# KiCad board Sofle_Chico_Panel.kicad_pcb (continued)
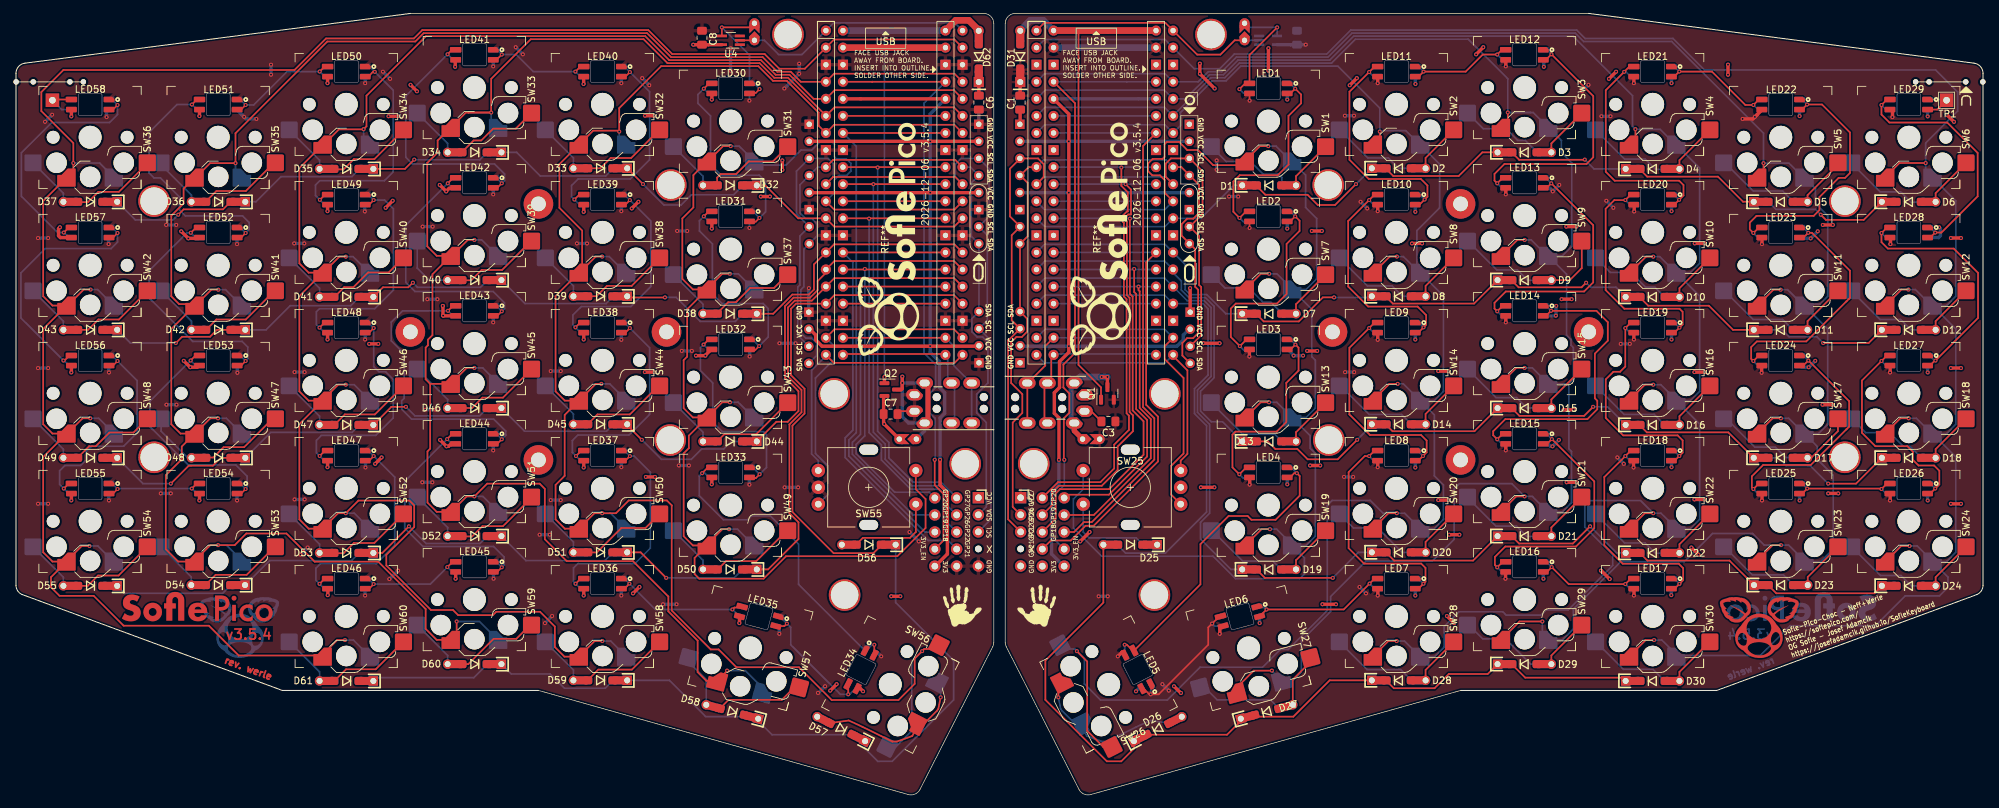
[diagram p0: board, top side]
## Footprints (pads in the part's own frame, mm; a bottom-side part is the same pattern mirrored in y, then rotated) (continued)
OLED SSD1306 128x64
  round 1.397 hole 0.813: 1(3.82,-12.575) 1(3.82,12.635) 1(13.98,-12.575) 1(13.98,12.635) 2(1.28,-12.575) 2(1.28,12.635) 2(11.44,-12.575) 2(11.44,12.635) 3(-1.26,-12.575) 3(-1.26,12.635) 3(6.36,-12.575) 3(6.36,12.635)
  rect 1.397x1.397 hole 0.813: 4(-3.8,-12.575) 4(-3.8,12.635) 4(8.9,-12.575) 4(8.9,12.635)
Pimaroni_PinHeader_1x05_P2.54mm_Vertical Sofle v3b
  round 1 hole 1 unplated: (0,-7.62)
  rect 1.7x1.7 hole 1: 1(0,0)
  oval 1.7x1.7 hole 1: 2(0,-2.54) 3(0,-5.08) 5(0,-10.16)
PinHeader_1x05_P2.54mm_Vertical
  round 1.7 hole 1: 1(0,0)
  oval 1.7x1.7 hole 1: 2(0,-2.54) 3(0,-5.08) 4(0,-7.62) 5(0,-10.16)
RotaryEncoder_Alps_EC11E-Switch_Vertical_H20mm-keebio_modified
  oval 2.8x1.5 hole 2.8x1.5 unplated: (0,-5.6) (0,5.6)
  round 2 hole 1: A(-7.5,2.5) B(-7.5,-2.5) C(-7.5,0) S1(7,-2.5) S2(7,2.5)
RPi_Pico_SMD_TH_DS
  round 1.5 hole 0.8: 1(-10.16,24.13) 1(10.16,24.13) 2(-10.16,21.59) 2(10.16,21.59) 4(-10.16,16.51) 4(10.16,16.51) 5(-10.16,13.97) 5(10.16,13.97) 6(-10.16,11.43) 6(10.16,11.43) 7(-10.16,8.89) 7(10.16,8.89) 9(-10.16,3.81) 9(10.16,3.81) 10(-10.16,1.27) 10(10.16,1.27) 11(-10.16,-1.27) 11(10.16,-1.27) 12(-10.16,-3.81) 12(10.16,-3.81) 14(-10.16,-8.89) 14(10.16,-8.89) 15(-10.16,-11.43) 15(10.16,-11.43) 16(-10.16,-13.97) 16(10.16,-13.97) 17(-10.16,-16.51) 17(10.16,-16.51) 19(-10.16,-21.59) 19(10.16,-21.59) 20(-10.16,-24.13) 20(10.16,-24.13) 21(-7.62,-24.13) 21(7.62,-24.13) 22(-7.62,-21.59) 22(7.62,-21.59) 24(-7.62,-16.51) 24(7.62,-16.51) 25(-7.62,-13.97) 25(7.62,-13.97) 26(-7.62,-11.43) 26(7.62,-11.43) 27(-7.62,-8.89) 27(7.62,-8.89) 29(-7.62,-3.81) 29(7.62,-3.81) 30(-7.62,-1.27) 30(7.62,-1.27) 31(-7.62,1.27) 31(7.62,1.27) 32(-7.62,3.81) 32(7.62,3.81) 34(-7.62,8.89) 34(7.62,8.89) 35(-7.62,11.43) 35(7.62,11.43) 36(-7.62,13.97) 36(7.62,13.97) 37(-7.62,16.51) 37(7.62,16.51) 39(-7.62,21.59) 39(7.62,21.59) 40(-7.62,24.13) 40(7.62,24.13)
  rect 1.5x1.5 hole 0.8: 3(-10.16,19.05) 3(10.16,19.05) 8(-10.16,6.35) 8(10.16,6.35) 13(-10.16,-6.35) 13(10.16,-6.35) 18(-10.16,-19.05) 18(10.16,-19.05) 23(-7.62,-19.05) 23(7.62,-19.05) 28(-7.62,-6.35) 28(7.62,-6.35) 33(-7.62,6.35) 33(7.62,6.35) 38(-7.62,19.05) 38(7.62,19.05)
SK6803_MINI-E_V2
  rrect 1.6x0.82 smd: 1(2.8,0.75) 2(2.8,-0.75) 3(-2.8,-0.75)
  rrect 1.6x0.82 smd far side: 1(2.8,-0.75) 2(2.8,0.75) 3(-2.8,0.75) 4(-2.8,-0.75)
  rrect 1.7x0.82 smd: 4(-2.8,0.75)
SK6803_MINI-E_V2#2
  rrect 1.6x0.82 smd: 1(2.8,0.75) 2(2.8,-0.75) 3(-2.8,-0.75)
  rrect 1.6x0.82 smd far side: 1(2.8,-0.75) 2(2.8,0.75) 3(-2.8,0.75) 4(-2.8,-0.75)
  rrect 1.7x0.82 smd: 4(-2.8,0.75)
SK6803_MINI-E_V2#3
  rrect 1.6x0.82 smd: 1(2.8,0.75) 2(2.8,-0.75) 3(-2.8,-0.75)
  rrect 1.6x0.82 smd far side: 1(2.8,-0.75) 2(2.8,0.75) 3(-2.8,0.75) 4(-2.8,-0.75)
  rrect 1.7x0.82 smd: 4(-2.8,0.75)
sofle diode jig
  round 0.8 hole 0.8 unplated: (-10,0) (-8,0) (-2.54,0) (0,0)
SOT-23
  rrect 1.475x0.6 smd: 1(-0.938,0.95) 2(-0.938,-0.95) 3(0.938,0)
SOT-353_SC-70-5_Handsoldering
  rect 1.5x0.4 smd: 1(-1.33,0.65) 2(-1.33,0) 3(-1.33,-0.65) 4(1.33,-0.65) 5(1.33,0.65)
SW_Hotswap_Kailh_Choc_V1V2_DS_1.00u_1
  round 1.9 hole 1.9 unplated: (-5.5,0) (5.5,0)
  round 3.05 hole 3.05 unplated: (-5,3.8) (0,5.9) (5,3.8)
  round 3.4 hole 3.4 unplated: (0,0)
  custom 2.75x2.7 smd far side: 1(-3.5,6)
  custom 2.75x2.7 smd: 1(3.5,6)
  rrect 2.55x2.5 smd: 2(-8.5,3.8)
  rrect 2.55x2.5 smd far side: 2(8.5,3.8)
Tenting_Puck.kicad_mod_nocenter_v2
  round 4.4 hole 2.2: 1(-19.05,0) 1(0,19.05) 1(0,-19.05) 1(19.05,0)
TestPoint_THTPad_2.0x2.0mm_Drill1.0mm
  rect 2x2 hole 1: 1(0,0)

## Nets
3V3: J3.3 J4.3 J6.5 J7.3 J8.3 J9.3 J10.3 J11.5 U1.36 U3.36
3V3_EN: J6.4 J11.4 U1.37 U3.37
GND: C1.2 C2.2 C3.2 C4.2 C5.2 C6.2 C7.2 C8.2 J1.5 J2.1 J3.4 J4.4 J5.5 J7.4 J8.4 J9.4 J10.4 J12.5 J13.1 J14.5 LED1.1 LED2.1 LED3.1 LED4.1 LED5.1 LED6.1 LED7.1 LED8.1 LED9.1 LED10.1 LED11.1 LED12.1 LED13.1 LED14.1 LED15.1 LED16.1 LED17.1 LED18.1 LED19.1 LED20.1 LED21.1 LED22.1 LED23.1 LED24.1 LED25.1 LED26.1 LED27.1 LED28.1 LED29.1 LED30.1 LED31.1 LED32.1 LED33.1 LED34.1 LED35.1 LED36.1 LED37.1 LED38.1 LED39.1 LED40.1 LED41.1 LED42.1 LED43.1 LED44.1 LED45.1 LED46.1 LED47.1 LED48.1 LED49.1 LED50.1 LED51.1 LED52.1 LED53.1 LED54.1 LED55.1 LED56.1 LED57.1 LED58.1 SW25.C SW55.C U1.3 U1.8 U1.13 U1.18 U1.23 U1.28 U1.33 U1.38 U2.3 U3.3 U3.8 U3.13 U3.18 U3.23 U3.28 U3.33 U3.38 U4.3
VBUS: D31.2 D62.2 Q1.1 Q2.1 U1.40 U3.40
col0: SW6.1 SW12.1 SW18.1 SW24.1 SW30.1 SW36.1 SW42.1 SW48.1 SW54.1 SW60.1 U1.2 U3.2
col1: SW5.1 SW11.1 SW17.1 SW23.1 SW29.1 SW35.1 SW41.1 SW47.1 SW53.1 SW59.1 U1.4 U3.4
col2: SW4.1 SW10.1 SW16.1 SW22.1 SW28.1 SW34.1 SW40.1 SW46.1 SW52.1 SW58.1 U1.5 U3.5
col3: SW3.1 SW9.1 SW15.1 SW21.1 SW27.1 SW33.1 SW39.1 SW45.1 SW51.1 SW57.1 U1.6 U3.6
col4: SW2.1 SW8.1 SW14.1 SW20.1 SW26.2 SW32.1 SW38.1 SW44.1 SW50.1 SW56.2 U1.7 U3.7
col5: SW1.1 SW7.1 SW13.1 SW19.1 SW25.S1 SW31.1 SW37.1 SW43.1 SW49.1 SW55.S1 U1.11 U3.11
ENCA: SW25.A SW55.A U1.19 U3.19
ENCB: SW25.B SW55.B U1.20 U3.20
ENCB_SW: D25.2 D56.2 SW25.S2 SW55.S2
GP19: J6.2 J11.2 U1.25 U3.25
GP20: J6.1 J11.1 U1.26 U3.26
GP21: J5.4 J12.4 U1.27 U3.27
GP22: J5.3 J12.3 U1.29 U3.29
GP26: J5.2 J12.2 U1.31 U3.31
GP27: J5.1 J12.1 U1.32 U3.32
GP28: J6.3 J11.3 U1.34 U3.34
LED: JP2.1 JP4.1 U1.1 U2.2 U3.1 U4.2
row0: D1.1 D2.1 D3.1 D4.1 D5.1 D6.1 D32.1 D33.1 D34.1 D35.1 D36.1 D37.1 U1.12 U3.12
row1: D7.1 D8.1 D9.1 D10.1 D11.1 D12.1 D38.1 D39.1 D40.1 D41.1 D42.1 D43.1 U1.14 U3.14
row2: D13.1 D14.1 D15.1 D16.1 D17.1 D18.1 D44.1 D45.1 D46.1 D47.1 D48.1 D49.1 U1.15 U3.15
row3: D19.1 D20.1 D21.1 D22.1 D23.1 D24.1 D50.1 D51.1 D52.1 D53.1 D54.1 D55.1 U1.16 U3.16
row4: D25.1 D26.1 D27.1 D28.1 D29.1 D30.1 D56.1 D57.1 D58.1 D59.1 D60.1 D61.1 U1.17 U3.17
RX: J2.4 J13.4 U1.22 U3.22
SCL: J1.3 J3.2 J4.2 J7.2 J8.2 J9.2 J10.2 J14.3 U1.10 U3.10
SDA: J1.2 J3.1 J4.1 J7.1 J8.1 J9.1 J10.1 J14.2 U1.9 U3.9
TX: J2.3 J13.3 U1.21 U3.21
VDC: C1.1 C2.1 C3.1 C4.1 C5.1 C6.1 C7.1 C8.1 D31.1 D62.1 J1.1 J14.1 JP1.2 JP3.2 LED1.3 LED2.3 LED3.3 LED4.3 LED5.3 LED6.3 LED7.3 LED8.3 LED9.3 LED10.3 LED11.3 LED12.3 LED13.3 LED14.3 LED15.3 LED16.3 LED17.3 LED18.3 LED19.3 LED20.3 LED21.3 LED22.3 LED23.3 LED24.3 LED25.3 LED26.3 LED27.3 LED28.3 LED29.3 LED30.3 LED31.3 LED32.3 LED33.3 LED34.3 LED35.3 LED36.3 LED37.3 LED38.3 LED39.3 LED40.3 LED41.3 LED42.3 LED43.3 LED44.3 LED45.3 LED46.3 LED47.3 LED48.3 LED49.3 LED50.3 LED51.3 LED52.3 LED53.3 LED54.3 LED55.3 LED56.3 LED57.3 LED58.3 Q1.2 Q2.2 U1.39 U2.5 U3.39 U4.5
Net-(D1-A): D1.2 SW1.2
Net-(D2-A): D2.2 SW2.2
Net-(D3-A): D3.2 SW3.2
Net-(D4-A): D4.2 SW4.2
Net-(D5-A): D5.2 SW5.2
Net-(D6-A): D6.2 SW6.2
Net-(D7-A): D7.2 SW7.2
Net-(D8-A): D8.2 SW8.2
Net-(D9-A): D9.2 SW9.2
Net-(D10-A): D10.2 SW10.2
Net-(D11-A): D11.2 SW11.2
Net-(D12-A): D12.2 SW12.2
Net-(D13-A): D13.2 SW13.2
Net-(D14-A): D14.2 SW14.2
Net-(D15-A): D15.2 SW15.2
Net-(D16-A): D16.2 SW16.2
Net-(D17-A): D17.2 SW17.2
Net-(D18-A): D18.2 SW18.2
Net-(D19-A): D19.2 SW19.2
Net-(D20-A): D20.2 SW20.2
Net-(D21-A): D21.2 SW21.2
Net-(D22-A): D22.2 SW22.2
Net-(D23-A): D23.2 SW23.2
Net-(D24-A): D24.2 SW24.2
Net-(D26-A): D26.2 SW26.1
Net-(D27-A): D27.2 SW27.2
Net-(D28-A): D28.2 SW28.2
Net-(D29-A): D29.2 SW29.2
Net-(D30-A): D30.2 SW30.2
Net-(D32-A): D32.2 SW31.2
Net-(D33-A): D33.2 SW32.2
Net-(D34-A): D34.2 SW33.2
Net-(D35-A): D35.2 SW34.2
Net-(D36-A): D36.2 SW35.2
Net-(D37-A): D37.2 SW36.2
Net-(D38-A): D38.2 SW37.2
Net-(D39-A): D39.2 SW38.2
Net-(D40-A): D40.2 SW39.2
Net-(D41-A): D41.2 SW40.2
Net-(D42-A): D42.2 SW41.2
Net-(D43-A): D43.2 SW42.2
Net-(D44-A): D44.2 SW43.2
Net-(D45-A): D45.2 SW44.2
Net-(D46-A): D46.2 SW45.2
Net-(D47-A): D47.2 SW46.2
Net-(D48-A): D48.2 SW47.2
Net-(D49-A): D49.2 SW48.2
Net-(D50-A): D50.2 SW49.2
Net-(D51-A): D51.2 SW50.2
Net-(D52-A): D52.2 SW51.2
Net-(D53-A): D53.2 SW52.2
Net-(D54-A): D54.2 SW53.2
Net-(D55-A): D55.2 SW54.2
Net-(D57-A): D57.2 SW56.1
Net-(D58-A): D58.2 SW57.2
Net-(D59-A): D59.2 SW58.2
Net-(D60-A): D60.2 SW59.2
Net-(D61-A): D61.2 SW60.2
Net-(JP1-A): J2.2 JP1.1 Q1.3
Net-(JP2-B): JP2.2 LED2.2 U2.4
Net-(JP3-A): J13.2 JP3.1 Q2.3
Net-(JP4-B): JP4.2 LED31.2 U4.4
Net-(LED1-DIN): LED1.2 LED5.4
Net-(LED1-DOUT): LED1.4 LED6.2
Net-(LED2-DOUT): LED2.4 LED3.2
Net-(LED3-DOUT): LED3.4 LED4.2
Net-(LED4-DOUT): LED4.4 LED5.2
Net-(LED7-DIN): LED7.2 LED8.4
Net-(LED8-DIN): LED8.2 LED9.4
Net-(LED10-DIN): LED10.2 LED11.4
Net-(LED10-DOUT): LED9.2 LED10.4
Net-(LED11-DIN): LED6.4 LED11.2
Net-(LED12-DIN): LED7.4 LED12.2
Net-(LED12-DOUT): LED12.4 LED13.2
Net-(LED13-DOUT): LED13.4 LED14.2
Net-(LED14-DOUT): LED14.4 LED15.2
Net-(LED15-DOUT): LED15.4 LED16.2
Net-(LED16-DOUT): LED16.4 LED21.2
Net-(LED17-DIN): LED17.2 LED18.4
Net-(LED17-DOUT): LED17.4 LED22.2
Net-(LED18-DIN): LED18.2 LED19.4
Net-(LED19-DIN): LED19.2 LED20.4
Net-(LED20-DIN): LED20.2 LED21.4
Net-(LED22-DOUT): LED22.4 LED23.2
Net-(LED23-DOUT): LED23.4 LED24.2
Net-(LED24-DOUT): LED24.4 LED25.2
Net-(LED25-DOUT): LED25.4 LED29.2
Net-(LED26-DIN): LED26.2 LED27.4
Net-(LED26-DOUT): LED26.4 TP1.1
Net-(LED27-DIN): LED27.2 LED28.4
Net-(LED28-DIN): LED28.2 LED29.4
Net-(LED30-DIN): LED30.2 LED34.4
Net-(LED30-DOUT): LED30.4 LED35.2
Net-(LED31-DOUT): LED31.4 LED32.2
Net-(LED32-DOUT): LED32.4 LED33.2
Net-(LED33-DOUT): LED33.4 LED34.2
Net-(LED35-DOUT): LED35.4 LED40.2
Net-(LED36-DIN): LED36.2 LED37.4
Net-(LED36-DOUT): LED36.4 LED41.2
Net-(LED37-DIN): LED37.2 LED38.4
Net-(LED38-DIN): LED38.2 LED39.4
Net-(LED39-DIN): LED39.2 LED40.4
Net-(LED41-DOUT): LED41.4 LED42.2
Net-(LED42-DOUT): LED42.4 LED43.2
Net-(LED43-DOUT): LED43.4 LED44.2
Net-(LED44-DOUT): LED44.4 LED45.2
Net-(LED45-DOUT): LED45.4 LED50.2
Net-(LED46-DIN): LED46.2 LED47.4
Net-(LED46-DOUT): LED46.4 LED51.2
Net-(LED47-DIN): LED47.2 LED48.4
Net-(LED48-DIN): LED48.2 LED49.4
Net-(LED49-DIN): LED49.2 LED50.4
Net-(LED51-DOUT): LED51.4 LED52.2
Net-(LED52-DOUT): LED52.4 LED53.2
Net-(LED53-DOUT): LED53.4 LED54.2
Net-(LED54-DOUT): LED54.4 LED58.2
Net-(LED55-DIN): LED55.2 LED56.4
Net-(LED55-DOUT): LED55.4 TP2.1
Net-(LED56-DIN): LED56.2 LED57.4
Net-(LED57-DIN): LED57.2 LED58.4

Pads without a net: REF**#4 1; REF**#7 1; U1 24 30 35; U2 1; U3 24 30 35; U4 1

## Via types
v1: diameter 0.6, hole 0.3, Top to Bottom, 556 vias

## Routing (per net, layer and track width the routed paths; a pad name or vN(x,y) marks a point on that pad's centre or on a via; arc(x,y) is an arc through that point)
3V3: length 331.3
  Top w0.25: 125.63,103.54 125.63,103.53 125.62,103.54 ; v1(156.58,89.57) 156.34,89.57 ; v1(156.58,97.21) 156.34,97.21
  Top w0.5: 143.15,66.72 119.87,66.72 118.92,67.67 118.92,68.4 118.07,69.25 J9.3 ; 136.72,34 138.52,35.8 138.52,44.96 137.43,46.05 v1(137.43,49.81) ; J8.3 v1(135.96,97.21) J8.3 ; U3.36 125.63,103.54 ; U3.36 125.62,103.54 ; U1.36 156.58,101.27 v1(156.58,97.21) 156.58,65.82 155.2,64.44 155.2,60.58 154.43,59.81 154.43,56.74 155.11,56.06 v1(155.11,49.81) ; 118,89.57 143.17,89.57
  Bottom w0.25: v1(135.96,89.57) 136.2,89.57 ; v1(135.96,97.21) 136.2,97.21 ; 166.92,103.54 166.92,103.53 166.92,103.54
  Bottom w0.5: J4.3 174.47,69.25 173.62,68.4 173.62,67.67 172.67,66.72 149.4,66.72 ; U3.36 135.96,101.27 v1(135.96,97.21) 135.96,65.82 137.34,64.44 137.34,60.58 138.11,59.81 138.11,56.74 137.43,56.06 v1(137.43,49.81) ; 149.36,97.21 v1(156.58,97.21) 174.57,97.21 ; U1.36 166.92,103.54 ; U1.36 166.92,103.54 ; 174.55,89.57 149.38,89.57 ; 155.82,34 154.02,35.8 154.02,44.96 155.11,46.05 v1(155.11,49.81)
  vias: v1(135.95,66.74) v1(156.59,66.74)
3V3_EN: length 177.3
  Top w0.25: J11.4 137.93,37.81 137.93,44.74 136.63,46.04 v1(136.63,49.82) ; v1(155.91,49.82) 155.83,49.89 155.83,55.99 156.66,56.82 156.66,59.69 155.77,60.58 155.77,64 157.5,65.72 157.5,102.89 U1.37 ; U3.37 127.34,106.08 127.34,106.07 127.35,106.08 U3.37
  Bottom w0.25: J6.4 154.61,37.81 154.61,44.74 155.91,46.04 v1(155.91,49.82) ; U3.37 135.04,102.89 135.04,65.72 136.77,64 136.77,60.58 135.88,59.69 135.88,56.82 136.71,55.99 136.71,49.89 v1(136.63,49.82) ; U1.37 165.19,106.08 165.2,106.07 165.2,106.08 U1.37
GND: length 211.5
  Top w0.25: v1(196.32,28.32) 196.28,28.32 ; v1(178.24,45.72) 178.2,45.72 ; C3.2 159.91,57.05 J2.1 ; 174.67,75.37 v1(174.62,75.37) ; 131.54,57.05 J13.1 ; v1(172.22,16.12) 172.24,16.1 ; 174.57,87.05 174.55,87.05
  Top w0.5: 196.28,28.32 v1(194.3,28.32) ; v1(287.77,82.82) v1(289.27,82.82) ; v1(289.27,43.27) v1(287.77,43.27) ; v1(237.97,107.57) v1(236.91,106.51) ; v1(212.82,26.57) v1(213.88,25.51) ; v1(254.62,108.62) v1(254.62,107.12) ; C1.2 149.34,99.76 ; 178.2,45.72 v1(176.22,45.72) ; v1(179,67.16) v1(176.59,67.16) ; v1(193.52,66.02) v1(192.02,66.02) ; v1(186.27,107.72) v1(186.27,111.07) ; v1(231.67,57.27) v1(230.17,57.27) ; v1(237.02,32.07) 235.77,33.32 v1(235.72,33.32) ; v1(251.12,62.87) v1(249.62,62.87) ; v1(199.42,106.62) v1(198.36,105.56) ; v1(231.37,73.72) v1(229.87,73.72) ; v1(289.27,63.47) v1(287.77,63.47) ; v1(251.17,82.02) v1(249.67,82.02) ; 172.24,16.1 173.22,15.12 v1(173.27,15.12) ; v1(178.27,105.07) v1(176.07,107.27) v1(176.07,108.77) ; v1(251.12,43.92) v1(249.62,43.92) ; v1(193.97,48.97) v1(192.47,48.97) ; v1(287.17,101.17) v1(288.23,100.11) ; v1(158.27,37.67) v1(159.67,39.07) ; v1(218.22,111.22) v1(217.16,110.16) ; v1(194.22,83.87) v1(192.72,83.87) ; v1(271.02,44.82) v1(269.52,44.82) ; v1(213.02,43.82) v1(211.52,43.82) ; v1(249.17,36.77) v1(250.23,35.71) ; v1(174.62,75.37) 174.63,75.36 J4.4 ; v1(270.17,58.02) v1(268.67,58.02) ; v1(209.12,82.02) v1(207.62,82.02) ; v1(232.12,46.47) v1(230.62,46.47) ; v1(214.67,38.67) v1(213.15,38.67) ; v1(270.22,84.77) v1(268.72,84.77) ; v1(232.07,84.52) v1(230.57,84.52) ; v1(213.02,63.02) v1(211.52,63.02)
  Bottom w0.25: J8.4 117.99,87.05 ; v1(109.07,103.27) 109.09,103.29 LED30.1 ; LED31.1 109.09,84.34 v1(109.07,84.32) ; v1(96.22,28.32) 96.26,28.32 ; 117.87,75.37 v1(117.92,75.37) ; v1(114.31,45.72) 114.34,45.72 ; v1(120.32,16.12) 120.3,16.1
  Bottom w0.5: v1(56.82,33.32) 56.77,33.32 v1(55.52,32.07) ; v1(246.22,67.72) 246.2,67.74 246.2,68.69 ; v1(60.47,84.52) v1(61.97,84.52) ; v1(5.37,101.17) v1(4.31,100.11) ; 127.7,21.21 128.04,21.21 v1(128.67,20.57) ; LED21.1 246.2,105.89 v1(246.22,105.87) ; v1(166.57,15.37) 166.97,15.77 LED5.1 ; v1(61.17,73.72) v1(62.67,73.72) ; 114.34,45.72 v1(116.32,45.72) ; LED3.1 189.15,66.24 190.02,65.37 v1(190.02,65.32) v1(191.42,65.32) ; LED1.1 189.05,103.44 v1(189.07,103.42) ; 32.86,44.74 32.86,43.79 v1(32.87,43.77) ; 13.81,44.74 13.81,43.79 v1(13.82,43.77) ; v1(114.27,105.07) v1(116.47,107.27) v1(116.47,108.77) ; 284.3,63.79 284.3,62.84 v1(284.32,62.82) ; v1(98.32,83.87) v1(99.82,83.87) ; 284.3,101.89 284.3,100.94 v1(284.32,100.92) ; v1(90.02,29.62) 90.01,29.64 90.01,30.59 ; v1(90.02,48.72) 90.02,49.68 ; v1(22.32,84.77) v1(23.82,84.77) ; v1(70.97,70.27) 70.97,71.23 ; v1(32.92,62.77) 32.92,63.73 ; LED13.1 227.22,90.22 228.12,90.22 228.56,89.78 228.56,89.76 229.52,90.72 ; 208.1,30.59 208.1,29.64 v1(208.12,29.62) ; LED2.1 189.05,84.24 v1(189.07,84.22) ; v1(117.92,75.37) 117.91,75.36 J9.4 ; v1(77.87,38.67) v1(79.39,38.67) ; v1(229.07,72.72) 229.02,72.72 229.05,72.69 229.05,71.3 v1(229.02,71.27) 228.99,71.24 LED14.1 ; v1(60.87,57.27) v1(62.37,57.27) ; v1(79.72,26.57) v1(78.66,25.51) ; v1(184.97,25.52) 184.94,25.55 LED6.1 ; v1(79.52,63.02) v1(81.02,63.02) ; 284.3,44.74 284.3,43.79 v1(284.32,43.77) ; v1(227.17,32.12) 227.15,32.14 227.15,33.09 ; v1(3.27,43.27) v1(4.77,43.27) ; v1(90.02,105.87) 90.02,106.83 ; v1(83.42,82.02) v1(84.92,82.02) ; 33.55,101.22 32.91,101.86 32.91,101.89 ; 33.55,101.22 v1(33.92,100.85) ; 33.55,101.22 34.22,100.55 v1(35.75,100.55) ; 109.06,47.09 109.06,46.14 v1(109.07,46.12) ; v1(60.42,46.47) v1(61.92,46.47) ; v1(4.77,82.82) v1(3.27,82.82) ; LED20.1 246.2,86.84 v1(246.22,86.82) ; 120.3,16.1 119.32,15.12 v1(119.27,15.12) ; 208.1,87.69 208.1,86.74 v1(208.12,86.72) ; v1(106.27,107.72) v1(106.27,111.07) ; 227.22,109.27 227.22,108.32 v1(227.23,108.3) ; v1(286.02,84.42) 286.22,84.22 286.22,83.16 285.95,82.89 LED28.1 ; v1(74.32,111.22) v1(75.39,110.16) ; LED15.1 227.85,52.19 228.22,51.82 v1(228.52,51.82) v1(229.47,52.77) ; v1(208.13,105.75) 208.12,105.77 208.12,106.72 ; v1(70.97,108.37) 70.97,109.33 ; v1(51.92,105.87) 51.92,106.83 ; v1(267.97,83.82) v1(266.92,82.77) 265.37,82.77 LED23.1 ; v1(32.87,81.92) 32.87,82.88 ; v1(51.87,86.77) 51.87,87.73 ; C5.2 143.2,99.76 ; 246.17,30.65 246.17,29.69 v1(246.18,29.68) ; 71.01,33.09 71.01,32.14 v1(71.02,32.12) ; LED22.1 265.25,100.99 v1(265.27,100.97) ; 265.45,63.75 265.6,63.6 v1(266.62,63.6) 266.64,63.6 v1(267.59,64.55) ; v1(37.92,108.62) v1(37.92,107.12) ; v1(70.97,51.22) 70.97,52.18 ; 13.76,82.89 13.76,81.94 v1(13.77,81.92) ; v1(93.12,106.62) v1(94.19,105.56) ; v1(208.12,48.67) 208.1,48.69 208.1,49.64 ; v1(41.42,43.92) v1(42.92,43.92) ; 208.1,68.69 208.1,67.74 v1(208.12,67.72) ; LED18.1 246.2,48.74 v1(246.22,48.72) ; v1(3.27,63.47) v1(4.77,63.47) ; v1(13.82,62.82) 13.81,62.84 13.81,63.79 ; v1(113.54,67.16) v1(115.95,67.16) ; v1(13.47,100.82) 13.46,100.84 13.46,101.79 ; v1(90.02,67.67) 90.02,68.63 ; v1(51.92,29.62) 51.91,29.64 51.91,30.59 ; v1(43.37,36.77) v1(42.31,35.71) ; v1(51.92,67.72) 51.92,68.68 ; v1(99.02,66.02) v1(100.52,66.02) ; v1(109.11,65.19) 109.11,66.14 ; 113.51,24.99 113.51,23.94 v1(113.52,23.92) ; v1(22.37,58.02) v1(23.87,58.02) ; v1(70.97,89.32) 70.97,90.28 ; v1(189.07,46.17) 189.05,46.19 189.05,47.14 ; 265.25,44.74 265.25,43.79 v1(265.27,43.77) ; v1(98.57,48.97) v1(100.07,48.97) ; v1(51.97,48.67) 51.97,49.63 ; 96.26,28.32 v1(98.24,28.32) ; v1(79.52,43.82) v1(81.02,43.82) ; v1(41.37,82.02) v1(42.87,82.02) ; v1(90.02,86.82) 90.02,87.78 ; v1(134.27,37.67) v1(132.87,39.07) ; v1(54.57,107.57) v1(55.64,106.51) ; v1(21.52,44.82) v1(23.02,44.82) ; v1(41.42,62.87) v1(42.92,62.87)
VBUS: length 172.7
  Top w0.25: 158.05,113.7 158.02,113.67 158.02,63.95 161.37,60.6 Q1.1 ; 163.44,113.7 U1.40
  Top w0.5: v1(129.16,62.14) Q2.1
  Top w1: U1.40 U1.40 ; U3.40 139.76,115.22 141.7,115.22 143.2,113.72 143.2,112.34
  Bottom w0.25: 129.1,113.7 U3.40 ; 128.91,113.5 129.16,113.25 v1(129.16,62.14)
  Bottom w1: 149.34,112.34 149.34,113.72 150.84,115.22 152.79,115.22 U1.40 ; U3.40 U3.40
(no net): length 117.3
  Top w0.25: v1(110.59,104.98) 110.03,104.43 109.01,104.43 ; v1(106.55,27.55) 106.83,27.83 108.18,27.83 ; v1(45.17,107.6) 45.87,108.3 ; 183.45,105.84 183.45,110.06 v1(187.57,114.17) ; 201.97,32.06 v1(201.31,31.4) 197.46,27.55 v1(185.99,27.55) 184.89,26.44 ; 110.38,114.17 v1(104.97,114.17) 104.97,112.92 104.99,112.9 ; v1(72.25,110.13) 71.54,109.43 ; v1(83.19,107.59) 83.9,108.3 ; v1(181.96,104.98) 182.84,105.87 ; v1(91.23,31.4) 91.23,31.38 90.47,30.62 ; v1(34.15,102.62) 33.44,101.92
  Bottom w0.25: 45.91,106.86 v1(45.17,107.6) 45.16,107.59 40.31,107.59 35.34,102.62 v1(34.15,102.62) 33.41,103.36 ; 83.92,106.86 v1(83.19,107.59) 76.93,107.59 74.39,110.13 v1(72.25,110.13) 71.51,110.87 ; 183.53,104.43 182.51,104.43 v1(181.96,104.98) ; 184.36,27.83 185.71,27.83 v1(185.99,27.55) ; 90.57,32.06 v1(91.23,31.4) 95.08,27.55 v1(106.55,27.55) 107.66,26.44 ; 187.55,112.9 187.57,112.92 v1(187.57,114.17) 182.16,114.17 ; v1(110.59,104.98) 109.7,105.87 ; v1(201.31,31.4) 201.31,31.38 202.07,30.62 ; v1(104.97,114.17) 109.09,110.06 109.09,105.84
col0: length 641.4
  Top w0.25: 277.97,91.85 280.1,93.98 v1(284.02,93.98) ; v1(11.05,56) 9.9,56 7.57,53.67 ; 277.97,72.72 280.4,75.15 v1(281.46,75.15) ; 45.45,20.7 33.12,20.7 28.69,25.13 16,25.13 11.56,29.57 6.48,29.57 5.21,30.84 5.21,32.36 SW54.1 5.42,34.67 4.04,36.05 4.04,50.24 SW48.1 5.42,53.72 4.04,55.1 4.04,69.29 SW42.1 5.42,72.77 4.04,74.15 4.04,88.34 SW36.1 ; 45.45,20.67 47.77,23 v1(48.92,23) ; v1(11.08,75.15) 10.05,75.15 7.57,72.67 ; 8.52,92.75 v1(8.52,93.98) 8.52,96.96 3.77,101.72 3.77,104.55 7.05,107.83 41.42,107.83 46.11,112.52 59.17,112.52 60.42,113.77 94.03,113.77 97.6,110.2 111.34,110.2 113.52,108.02 117.32,108.02 U3.2 121.67,112.37 139.56,112.37 U3.2 ; v1(281.49,56) 280.24,56 277.97,53.72 ; v1(281.62,37) 280.37,37 278.09,34.72 ; 240.09,20.72 242.37,23 v1(243.62,23) ; v1(10.92,37) 9.77,37 7.45,34.67
  Bottom w0.25: v1(243.62,23) 244.77,23 247.09,20.67 ; v1(281.49,56) 282.64,56 284.97,53.67 ; 14.57,53.72 12.3,56 v1(11.05,56) ; 14.45,34.72 12.17,37 v1(10.92,37) ; SW6.1 288.5,88.34 288.5,74.15 287.12,72.77 SW12.1 288.5,69.29 288.5,55.1 287.12,53.72 SW18.1 288.5,50.24 288.5,36.05 287.12,34.67 SW24.1 287.33,32.36 287.33,30.84 286.06,29.57 280.98,29.57 276.54,25.13 263.85,25.13 259.42,20.7 247.09,20.7 ; v1(281.62,37) 282.77,37 285.09,34.67 ; v1(48.92,23) 50.17,23 52.45,20.72 ; 284.02,92.75 v1(284.02,93.98) 284.02,96.96 288.77,101.72 288.77,104.55 285.49,107.83 251.13,107.83 246.44,112.52 233.37,112.52 232.12,113.77 198.51,113.77 194.94,110.2 181.2,110.2 179.02,108.02 175.23,108.02 U1.2 170.88,112.37 152.99,112.37 U1.2 ; 14.57,91.85 12.44,93.98 v1(8.52,93.98) ; 14.57,72.72 12.14,75.15 v1(11.08,75.15) ; v1(281.46,75.15) 282.49,75.15 284.97,72.67
col1: length 561.6
  Top w0.25: SW41.1 23.09,69.29 23.09,55.1 24.47,53.72 SW47.1 24.65,51.8 24.65,49.9 22.27,47.52 22.27,36.52 24.12,34.67 SW53.1 ; 258.97,34.85 261.24,37.12 v1(262.49,37.12) ; v1(65.53,25.76) 65.53,23.86 ; v1(30.09,75.13) 29.05,75.13 26.59,72.67 ; SW35.1 24.92,90.17 24.92,87.97 23.09,86.14 23.09,74.15 24.25,72.99 26.35,72.99 ; v1(227.01,25.76) 223.61,25.76 SW29.1 ; U3.4 139.57,107.28 121.66,107.28 U3.4 116.72,106.08 115.22,107.57 113.22,107.57 111.04,109.75 97.42,109.75 93.86,113.31 60.62,113.31 59.38,112.07 46.29,112.07 32.64,98.42 v1(32.64,93.96) 28.86,93.96 26.57,91.67 ; v1(30.05,56) 28.9,56 26.57,53.67 ; v1(262.45,75.13) 261.37,75.13 258.96,72.72 ; SW59.1 62.56,23.02 60.92,24.66 60.92,27.61 53.88,34.65 44.43,34.65 40.23,38.85 34.25,38.85 32.52,37.12 v1(30.05,37.12) 28.9,37.12 26.57,34.8 ; SW17.1 261.24,56 v1(262.49,56) ; v1(259.9,93.96) 259.9,92.65
  Bottom w0.25: SW29.1 229.98,23.02 231.62,24.66 231.62,27.61 238.66,34.65 248.12,34.65 252.32,38.85 258.29,38.85 260.02,37.12 v1(262.49,37.12) 263.64,37.12 265.97,34.8 ; v1(262.45,75.13) 263.5,75.13 265.96,72.67 ; v1(262.49,56) 263.64,56 265.97,53.67 ; 33.57,34.85 31.3,37.12 v1(30.05,37.12) ; v1(30.05,56) 31.3,56 SW47.1 ; SW23.1 268.42,34.67 270.27,36.52 270.27,47.52 267.89,49.9 267.89,51.8 SW17.1 268.07,53.72 269.45,55.1 269.45,69.29 SW11.1 ; v1(65.53,25.76) 68.93,25.76 SW59.1 ; 265.97,91.67 263.68,93.96 v1(259.9,93.96) 259.9,98.42 246.25,112.07 233.16,112.07 231.92,113.31 198.69,113.31 195.13,109.75 181.5,109.75 179.32,107.57 177.32,107.57 175.82,106.08 U1.4 170.89,107.28 152.98,107.28 U1.4 ; SW5.1 267.62,90.17 267.62,87.97 269.45,86.14 269.45,74.15 268.29,72.99 266.19,72.99 ; v1(32.64,93.96) 32.64,92.65 ; v1(30.09,75.13) 31.18,75.13 33.59,72.72 ; v1(227.01,25.76) 227.01,23.86
col2: length 548.8
  Top w0.25: 45.7,96.67 48.02,99 51.67,99 v1(51.69,99.02) 52.12,99.45 52.12,104.01 60.97,112.86 93.58,112.86 97.14,109.3 110.79,109.3 112.97,107.12 115.04,107.12 118.62,103.54 U3.5 121.75,104.83 139.48,104.83 U3.5 ; v1(240.85,99.02) 240.85,97.65 ; SW52.1 43.52,39.57 42.14,40.95 42.14,55.14 SW46.1 43.52,58.62 42.14,60 42.14,74.19 SW40.1 43.52,77.67 42.14,79.05 42.14,93.24 SW34.1 ; 239.97,77.6 242.42,80.05 v1(243.49,80.05) ; v1(49.05,80.05) 48.08,80.05 45.57,77.55 ; v1(243.49,41.87) 242.24,41.87 239.97,39.6 ; v1(243.49,61) 242.24,61 239.97,58.72 ; 45.57,58.67 47.9,61 v1(49.05,61) ; 201.82,20.57 204.09,22.85 v1(205.34,22.85) ; 45.57,39.55 47.9,41.87 v1(49.05,41.87) 50.93,43.75 58.49,43.75 59.22,43.02 59.22,39.82 55.07,35.67 55.07,34.1 61.7,27.47 64.98,27.47 65.76,26.7 70.91,26.7 71.42,27.2 77.94,27.2 80.14,25.01 80.14,21.95 81.57,20.52 SW58.1 86.05,22.85 v1(87.2,22.85)
  Bottom w0.25: v1(243.49,61) 244.64,61 246.97,58.67 ; v1(243.49,80.05) 244.46,80.05 246.97,77.55 ; U1.5 153.07,104.83 170.8,104.83 U1.5 173.92,103.54 177.51,107.12 179.57,107.12 181.75,109.3 195.4,109.3 198.96,112.86 231.57,112.86 240.42,104.01 240.42,99.45 v1(240.85,99.02) 240.87,99 244.52,99 246.84,96.67 ; v1(49.05,80.05) 50.12,80.05 52.57,77.6 ; SW4.1 250.4,93.24 250.4,79.05 249.02,77.67 SW10.1 250.4,74.19 250.4,60 249.02,58.62 SW16.1 250.4,55.14 250.4,40.95 249.02,39.57 SW22.1 ; v1(87.2,22.85) 88.45,22.85 90.72,20.57 ; v1(49.05,41.87) 50.3,41.87 52.57,39.6 ; v1(49.05,61) 50.3,61 52.57,58.72 ; 246.97,39.55 244.64,41.87 v1(243.49,41.87) 241.61,43.75 234.05,43.75 233.32,43.02 233.32,39.82 237.47,35.67 237.47,34.1 230.85,27.47 227.56,27.47 226.78,26.7 221.63,26.7 221.12,27.2 214.6,27.2 212.4,25.01 212.4,21.95 210.97,20.52 SW28.1 206.49,22.85 v1(205.34,22.85) ; v1(51.69,99.02) 51.69,97.65
col3: length 513.7
  Top w0.25: v1(70.67,101.5) 70.67,106.52 76.56,112.41 93.33,112.41 96.89,108.85 110.59,108.85 112.77,106.67 114.82,106.67 120,101.5 120,101 ; v1(70.67,101.5) 70.67,101.5 67.28,101.5 ; v1(70.67,101.5) 67.29,101.5 67.28,101.5 ; 64.7,61.17 67.02,63.5 v1(68.17,63.5) ; 67.28,101.5 66.9,101.5 64.57,99.17 ; v1(224.37,44.37) 223.12,44.37 220.84,42.1 ; v1(105.76,18.44) 105.76,18.4 SW57.1 102.66,16.93 101.37,18.22 101.37,22.91 97.02,27.26 97.02,29.47 91.75,34.75 81.9,34.75 78.65,38 78.65,45.5 77.87,46.27 70.07,46.27 v1(68.17,44.37) 67.02,44.37 64.7,42.05 ; 61.6,61.12 61.6,51.47 61.19,51.07 61.19,43.45 62.57,42.07 SW51.1 ; 61.6,61.12 60.92,61.8 60.92,66.52 61.27,66.87 61.27,67.7 61.94,68.37 61.94,77.43 SW39.1 62.57,80.17 61.16,81.58 61.16,94 62.7,95.54 62.7,97.33 64.59,99.22 ; 61.6,61.12 SW45.1 ; v1(68.16,82.54) 67.19,82.54 64.7,80.05 ; v1(186.78,18.44) 184.08,18.44 181.49,15.85 ; v1(221.87,101.5) 221.87,100.12 ; 220.84,61.22 223.12,63.5 v1(224.37,63.5) ; v1(224.38,82.54) 223.29,82.54 220.84,80.1 ; U3.6 139.5,102.27 121.73,102.27 U3.6
  Bottom w0.25: U1.6 170.82,102.27 153.05,102.27 U1.6 ; 111.05,15.85 108.46,18.44 v1(105.76,18.44) ; 227.97,99.17 225.64,101.5 225.26,101.5 ; 172.54,101 172.54,101.5 177.72,106.67 179.77,106.67 181.95,108.85 195.65,108.85 199.21,112.41 215.98,112.41 221.87,106.52 v1(221.87,101.5) ; v1(68.17,63.5) 69.42,63.5 71.7,61.22 ; 225.26,101.5 221.87,101.5 v1(221.87,101.5) ; 225.26,101.5 225.25,101.5 v1(221.87,101.5) ; v1(68.16,82.54) 69.25,82.54 71.7,80.1 ; v1(70.67,101.5) 70.67,100.12 ; 227.84,80.05 225.35,82.54 v1(224.38,82.54) ; v1(224.37,63.5) 225.52,63.5 227.84,61.17 ; v1(186.78,18.44) 186.78,18.4 SW27.1 189.88,16.93 191.17,18.22 191.17,22.91 195.52,27.26 195.52,29.47 200.79,34.75 210.64,34.75 213.89,38 213.89,45.5 214.67,46.27 222.47,46.27 v1(224.37,44.37) 225.52,44.37 227.84,42.05 ; SW21.1 229.97,42.07 231.35,43.45 231.35,51.07 230.94,51.47 230.94,61.12 ; 227.95,99.22 229.84,97.33 229.84,95.54 231.38,94 231.38,81.58 229.97,80.17 SW9.1 230.61,77.43 230.61,68.37 231.27,67.7 231.27,66.87 231.62,66.52 231.62,61.8 230.94,61.12 ; v1(68.17,44.37) 69.42,44.37 71.7,42.1 ; 230.94,61.12 SW15.1
col4: length 519.9
  Top w0.25: U3.7 139.55,99.67 121.67,99.67 U3.7 119.38,99.53 119.38,101.48 114.64,106.22 112.57,106.22 110.39,108.4 95.95,108.4 89.71,102.16 v1(89.71,98.66) 89.57,98.8 85.83,98.8 83.7,96.67 ; 201.84,77.6 204.31,80.06 v1(205.37,80.06) ; 83.7,77.55 86.21,80.06 v1(87.17,80.06) ; v1(202.83,98.66) 202.83,97.71 ; 201.97,58.85 204.24,61.12 v1(205.49,61.12) ; v1(157.78,21.35) 157.78,21.33 159.32,19.79 159.32,9.48 161.72,7.08 SW26.2 ; SW32.1 80.82,93.82 80.82,87.31 84.2,83.93 84.2,78.15 ; v1(205.37,41.87) 204.12,41.87 201.84,39.6 ; SW44.1 86.22,61.12 v1(87.05,61.12) ; SW44.1 81.6,56.5 81.6,47.43 80.24,46.08 80.24,40.95 81.62,39.57 SW50.1 ; SW44.1 81.62,58.62 80.24,60 80.24,74.19 SW38.1 ; 83.7,39.55 86.02,41.87 v1(87.17,41.87) 89.22,41.87 91.12,43.77 96.8,43.77 97.52,43.05 97.52,27.4 103.32,21.6 104.5,21.6 107.15,18.95 116.44,18.95 121.31,14.07 131.25,14.07 133.65,16.47 133.65,20.24 v1(134.76,21.35) 135.09,21.67 136.72,21.67
  Bottom w0.25: 208.84,77.55 206.33,80.06 v1(205.37,80.06) ; 208.34,78.15 208.34,83.93 211.72,87.31 211.72,93.82 SW2.1 ; SW20.1 210.92,39.57 212.3,40.95 212.3,46.08 210.94,47.43 210.94,56.5 SW14.1 ; SW14.1 206.32,61.12 v1(205.49,61.12) ; SW14.1 210.92,58.62 212.3,60 212.3,74.19 SW8.1 ; 90.7,39.6 88.42,41.87 v1(87.17,41.87) ; v1(89.71,98.66) 89.71,97.71 ; 208.84,39.55 206.52,41.87 v1(205.37,41.87) 203.32,41.87 201.42,43.77 195.74,43.77 195.02,43.05 195.02,27.4 189.22,21.6 188.04,21.6 185.39,18.95 176.1,18.95 171.23,14.07 161.29,14.07 158.89,16.47 158.89,20.24 v1(157.78,21.35) 157.46,21.67 155.83,21.67 ; v1(134.76,21.35) 134.76,21.33 133.23,19.79 133.23,9.48 130.83,7.08 SW56.2 ; 208.84,96.67 206.71,98.8 202.97,98.8 v1(202.83,98.66) 202.83,102.16 196.59,108.4 182.15,108.4 179.97,106.22 177.91,106.22 173.17,101.48 173.17,99.53 U1.7 170.87,99.67 152.99,99.67 U1.7 ; 90.57,58.85 88.3,61.12 v1(87.05,61.12) ; 90.7,77.6 88.23,80.06 v1(87.17,80.06)
col5: length 411.3
  Top w0.25: v1(186.37,77.5) 185.12,77.5 182.84,75.22 ; 102.7,75.17 105.02,77.5 v1(106.17,77.5) ; 102.72,37.17 105.05,39.5 v1(106.05,39.5) ; v1(186.49,39.5) 185.24,39.5 182.97,37.22 ; 182.12,93.57 SW1.1 182.22,93.67 178.04,93.67 175.79,95.92 174.19,95.92 172.99,97.12 171.15,97.12 170.82,96.79 170.82,94.9 170.52,94.6 169.04,94.6 168.37,93.92 168.37,92.77 168.99,92.15 170.14,92.15 170.84,91.45 170.84,89.54 U1.11 ; 182.72,94.22 184.99,96.5 v1(186.24,96.5) ; v1(106.18,58.38) 105.03,58.38 102.7,56.05 ; v1(106.3,96.5) 105.15,96.5 102.82,94.17 ; SW55.S1 133.82,45.43 135.27,43.98 135.27,39.67 131.07,35.47 114.52,35.47 111.17,32.12 101.62,32.12 100.92,32.82 100.92,35.22 SW49.1 100.67,37.07 99.29,38.45 99.29,50.77 100.07,51.55 100.07,53.42 SW43.1 100.67,56.12 99.29,57.5 99.29,64.64 99.82,65.17 99.82,72.22 SW37.1 100.67,75.17 99.1,76.75 99.1,85.74 100.74,87.38 100.74,92.19 SW31.1 ; 182.84,56.1 185.13,58.38 v1(186.36,58.38) ; U3.11 121.69,87.06 139.58,87.06 140.77,88.25
  Bottom w0.25: v1(186.49,39.5) 187.49,39.5 189.82,37.17 ; v1(186.24,96.5) 187.39,96.5 189.72,94.17 ; 189.84,75.17 187.52,77.5 v1(186.37,77.5) ; v1(106.17,77.5) 107.42,77.5 109.7,75.22 ; v1(186.36,58.38) 187.51,58.38 189.84,56.05 ; v1(106.18,58.38) 107.41,58.38 109.7,56.1 ; SW1.1 191.8,92.19 191.8,87.38 193.44,85.74 193.44,76.75 191.87,75.17 SW7.1 192.72,72.22 192.72,65.17 193.25,64.64 193.25,57.5 191.87,56.12 SW13.1 192.47,53.42 192.47,51.55 193.25,50.77 193.25,38.45 191.87,37.07 SW19.1 191.62,35.22 191.62,32.82 190.92,32.12 181.37,32.12 178.02,35.47 161.47,35.47 157.27,39.67 157.27,43.98 158.72,45.43 158.72,48.22 ; U1.11 170.86,87.06 152.97,87.06 151.77,88.25 ; 110.42,93.57 SW31.1 110.32,93.67 114.5,93.67 116.75,95.92 118.35,95.92 119.55,97.12 121.4,97.12 121.72,96.79 121.72,94.9 122.02,94.6 123.5,94.6 124.17,93.92 124.17,92.77 123.55,92.15 122.4,92.15 121.7,91.45 121.7,89.54 U3.11 ; 109.57,37.22 107.3,39.5 v1(106.05,39.5) ; v1(106.3,96.5) 107.55,96.5 109.82,94.22
